# KiCad board tida_010057_imported.kicad_pcb (continued)
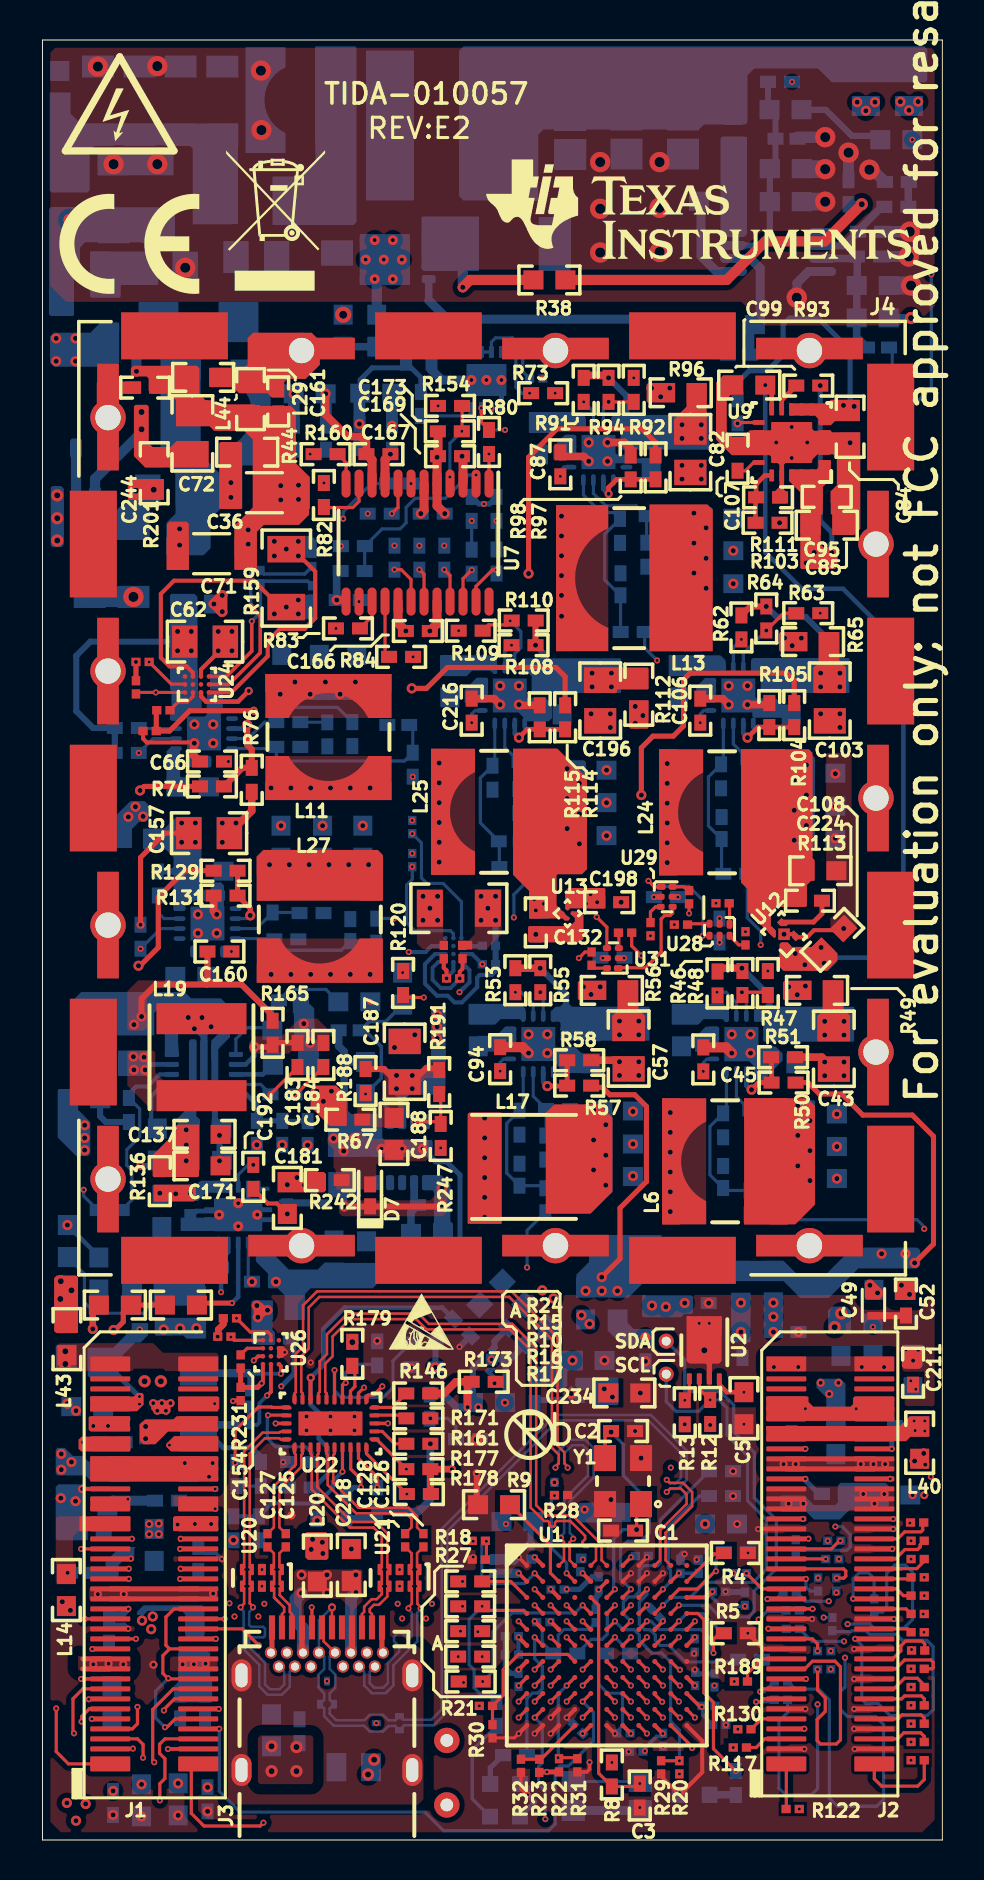
[diagram p0: board, top side]
## Copper pours and planes (outline as drawn; the poured copper is in the pictures) (continued)
1V8_VDD_RX on Bottom Layer: 42.88,17.86 44.32,17.86 44.42,17.75 44.42,16.87 44.3,16.74 42.88,16.74
1V8_VDD_RX on POWER2: 21.7,3.8 23.89,3.8 24.94,2.74 32.04,2.74 32.06,2.76 33.6,2.76 35.99,5.16 35.99,12.88 33.25,15.62 33.17,16.05 33.17,31.75 30.63,34.19 30.63,64.44 31.72,65.53 39.45,65.53 40.51,64.47 40.51,48.31 37.13,44.93 37.13,43.59 37.95,42.77 40.92,42.77 42.09,41.61 42.09,33.32 40.23,31.47 40.23,26.92 40.05,26.74 40.05,20.44 39.68,20.07 39.68,17.29 40.03,16.94 42.72,16.94 43.31,17.53 44.42,17.53 44.58,17.37 44.58,0.74 43.92,0.08 1.14,0.08 0.2,1.02 0.2,22.66 0.51,22.96 4.24,22.96 4.57,22.63 4.57,19.79 3.89,19.1 3.89,14 5.41,12.47 15.6,12.47 17.74,10.33 19.72,10.33 19.84,10.21 19.84,5.66
3.3V on Top Layer (solid shape): 36.93,44.86 37.28,44.86 37.48,44.65 38.48,44.65 38.94,45.11 38.96,45.11 39.75,44.32 39.75,43.99 39.22,43.46 37.06,43.46 36.86,43.66 36.86,44.78
3.3V on Bottom Layer (solid shape): 36.93,44.65 36.88,44.6 36.88,43.64 37.06,43.46 39.29,43.46 39.75,43.92 39.75,44.32 38.96,45.11 38.94,45.11 38.48,44.65
3.3V on POWER2: 40.56,20.68 39.68,19.8 39.68,18.18 40.49,17.37 42.44,17.37 43.13,18.06 44.32,18.06 44.6,18.34 44.6,18.39 44.61,18.4 44.61,43.53 43.08,45.06 37.59,45.06 37.34,44.81 37.34,43.61 37.69,43.26 41.15,43.26 42.62,41.78 42.62,32.94 40.56,30.89
3.3V_AVDD on Top Layer (solid shape): 36.2,20.7 42.88,20.7 43.36,21.18 44.35,21.18 44.35,20.18 43.42,20.18 43.18,19.94 36.2,19.94
AVSS on Top Layer (solid shape): 6.78,22.15 8.84,22.15 8.84,21.56 6.78,21.56
AVSS on Top Layer (solid shape): 6.58,20.19 6.2,19.81 6.2,19.66 6.43,19.43 8.79,19.43 8.79,20.19
AVSS on Top Layer (solid shape): 42.6,20.99 42.6,22.13 42.57,22.16 40.6,22.16 40.54,22.1 40.54,21.13 40.68,20.99
AVSS on Top Layer (solid shape): 4.34,20.17 4.39,20.12 4.39,19.48 4.34,19.43 1.93,19.43 1.8,19.56 1.8,20.02 1.96,20.17
AVSS on Top Layer (solid shape): 5.05,22.28 4.98,22.35 4.75,22.35 4.57,22.17 2.39,22.17 2.39,21.44 4.72,21.44 5.05,21.77
AVSS on Top Layer (solid shape): 38.3,21.9 38.54,21.67 40.41,21.67 40.79,22.05 41.91,22.05 41.99,21.97 41.99,21.13 41.81,20.96 36.22,20.96 36.2,20.98 36.2,22.12 36.25,22.17 38.28,22.17 38.3,22.15
AVSS on Bottom Layer (solid shape): 0.79,17.78 0.66,17.65 0.66,15.06 0.74,14.99 2.06,14.99 2.11,15.04 2.11,17.37 2.18,17.45 2.18,17.68 2.08,17.78
AVSS on Bottom Layer (solid shape): 2.26,24.61 3.53,24.61 4.47,25.55 4.47,25.83 5.28,25.83 5.28,25.25 4.9,24.87 4.65,24.87 3.81,24.03 3.81,23.11 2.36,23.11 2.26,23.22
AVSS on GND2: 7.95,14.33 8.62,14.99 10.09,14.99 10.76,14.33 42.72,14.33 44.6,16.21 44.6,26.77 43.66,27.71 1.42,27.71 0.36,26.64 0.36,14.81 0.84,14.33
GND_A7 on Bottom Layer (solid shape): 12.57,41.3 12.52,41.35 12.52,41.99 13.18,41.99 13.59,41.58 13.59,40.11 13.82,39.88 13.82,38.25 12.78,38.25 12.78,39.52 12.57,39.73
GND_A7 on Top Layer: 11.96,40.18 10.64,40.18 10.34,39.88 10.34,39.45 10.46,39.32 12.32,39.32 12.45,39.45 14.35,39.45 14.35,40.46 13.74,41.07 12.85,41.07
GND_A7 on GND1: 4.42,33.48 4.6,33.3 5.31,33.3 5.41,33.4 5.41,34.47 5.66,34.72 9.96,34.72 10.21,34.47 13.56,34.47 14.02,34.93 14.02,41.02 13.82,41.22 5.72,41.22 4.42,39.93
GND_SIG on Top Layer (solid shape): 43.92,24.74 43.99,24.66 43.99,23.67 43.89,23.57 43.08,23.57 42.98,23.67 42.98,24.66 43.05,24.74
GND_SIG on Top Layer (solid shape): 33.96,26.19 33.96,23.95 33.83,23.83 33.5,23.83 33.48,23.8 33.48,22.78 33.22,22.78 33.22,23.75 33.15,23.83 32.33,23.83 32.21,23.95 32.21,26.19
GND_SIG on Bottom Layer (solid shape): 44.02,24.77 44.04,24.74 44.04,23.75 44.02,23.72 43.05,23.72 42.98,23.8 42.98,24.74 43,24.77
GND_SIG on Bottom Layer (solid shape): 2.18,13.06 3.76,13.06 3.81,13.11 3.81,13.74 3.99,13.92 4.5,13.92 4.59,14.01 4.59,14.56 4.67,14.64 3.87,14.64 3.15,13.92 3.15,13.59 2.49,13.59 2.18,13.29
GND_SIG on Top Layer: 44.17,27.25 44.96,26.47 44.96,1.35 43.74,0.13 1.17,0.13 0.1,1.19 0.1,26.19 1.17,27.25
GND_SIG on Bottom Layer: 44.17,27.25 44.96,26.47 44.96,1.35 43.74,0.13 1.17,0.13 0.1,1.19 0.1,26.19 1.17,27.25
GND_SIG on Bottom Layer: 3.15,1.7 8.86,1.7 9.02,1.55 9.02,0.41 8.92,0.3 3.15,0.3 3.1,0.36 3.1,1.65
GND_SIG on Bottom Layer: 12.19,69.95 17.81,69.95 17.86,69.9 17.86,69.06 17.5,68.71 12.19,68.71 12.09,68.81 12.09,69.9
GND_SIG on Bottom Layer: 3.76,13.06 3.81,13.11 3.81,13.74 3.99,13.92 4.5,13.92 4.59,14.01 4.59,14.56 4.67,14.64 4.67,17.07 4.47,17.27 2.72,17.27 2.62,17.17 2.62,13.98 2.3,13.67 2.18,13.67 2.18,13.06
GND_SIG on GND1: 43.59,89.99 44.98,88.6 44.98,1.52 43.46,0 1.93,0 0,1.93 0,88.62 1.37,89.99
GND_SIG on Signal Layer 1: 43.59,89.99 44.98,88.6 44.98,1.52 43.46,0 1.93,0 0,1.93 0,88.62 1.37,89.99
GND_SIG on Signal Layer 2: 43.59,89.99 44.98,88.6 44.98,1.52 43.46,0 1.93,0 0,1.93 0,88.62 1.37,89.99
GND_SIG on GND7: 0,89.05 0.91,89.97 43.99,89.97 45.01,88.95 44.98,74.65 44.98,1.52 43.46,0 1.93,0 0,1.93
PGND on Top Layer (solid shape): 4.93,72.92 3.94,72.92 3.81,73.05 2.9,73.05 2.72,72.87 2.72,70.76 2.74,70.79 3.73,70.79 3.81,70.87 3.81,72.09 4.04,72.31 4.93,72.31
PGND on Top Layer (solid shape): 26.47,46.43 26.44,46.41 26.44,46.28 26.62,46.1 26.62,45.92 26.39,45.69 24.33,45.69 24.28,45.64 24.28,44.93 24.33,44.88 26.87,44.88 27.05,45.06 27.05,46.3 26.92,46.43
PGND on Top Layer (solid shape): 8.41,73.61 10.11,73.61 10.26,73.76 10.26,75.09 10.54,75.36 13.46,75.36 13.87,74.96 13.87,73.76 13.16,73.05 12.24,73.05 12.04,72.85 12.04,72.14 11.46,72.14 11.25,72.34 9.83,72.34 9.53,72.64 8.41,72.64
PGND on Top Layer (solid shape): 34.49,70.15 34.21,70.43 34.21,72.06 34.44,72.29 35.03,72.29 35.03,73.2 35.05,73.23 34.04,73.23 33.68,72.87 33.68,70.03 34.47,69.24 36.37,69.24 36.86,68.76 36.86,67.67 36.63,67.44 36.5,67.44 36.5,66.83 37.21,66.83 37.24,66.85 37.24,67.36 37.08,67.51 37.08,68.78 37.16,68.86 38.33,68.86 38.76,69.29 39.52,69.29 39.73,69.09 39.73,67.74 39.42,67.44 39.42,66.32 39.5,66.24 39.5,65.28 39.52,65.25 40.59,65.25 40.89,65.56 40.89,70.38 39.5,70.38 39.42,70.46 38.58,70.46 38.4,70.64 36.63,70.64 36.47,70.48 35.38,70.48 35.05,70.15
PGND on Bottom Layer (solid shape): 6.91,30.45 8.89,30.45 8.89,30.63 8.41,31.12 6.91,31.12
PGND on Bottom Layer (solid shape): 25.17,57.1 25.48,56.79 25.48,56.09 25.32,55.93 24.25,55.93 23.8,56.38 23.8,57.1
PGND on Bottom Layer (solid shape): 26.64,39.65 27.05,39.24 27.05,38.35 26.11,38.35 25.49,38.97 25.49,39.67 25.53,39.7 25.63,39.7 25.68,39.65
PGND on Bottom Layer (solid shape): 36.68,57.07 37.01,56.74 37.01,56.13 36.98,56.11 35.59,56.11 35.5,56.2 35.5,57.14 35.57,57.21 35.71,57.07
PGND on Bottom Layer (solid shape): 8.47,47.89 8.41,47.83 8.41,46.75 8.3,46.64 8.3,46.04 8.36,45.99 9,45.99 9.07,46.05 9.07,47.74 8.92,47.89
PGND on Bottom Layer (solid shape): 29.44,69.24 29.59,69.09 30.06,69.09 30.06,68.88 30.01,68.83 28.36,68.83 28.26,68.94 28.26,69.29 28.49,69.52 28.77,69.24
PGND on Bottom Layer (solid shape): 8.23,57.33 8.23,56.29 8.1,56.16 8.1,55.55 8.15,55.5 8.81,55.5 8.92,55.6 8.92,56.29 9.02,56.39 9.02,57.35 8.97,57.4 8.31,57.4
PGND on Bottom Layer (solid shape): 36.67,39.67 37.01,39.33 37.01,38.97 36.04,37.99 35.72,37.99 35.58,38.13 35.58,38.69 35.33,38.94 34.11,38.94 34.11,40.64 35.79,40.64 35.79,39.73 35.84,39.67
PGND on Bottom Layer (solid shape): 19.94,33.25 20.4,32.79 20.4,30.94 20.52,30.81 20.52,29.84 19.53,29.84 19.53,30.84 19.58,30.89 19.58,32.39 19.49,32.49 19.05,32.49 19,32.54 19,33.2 19.05,33.25
PGND on Bottom Layer (solid shape): 8.92,42.09 7.42,42.09 7.11,42.39 1.93,42.39 1.52,41.99 1.52,40.28 1.57,40.23 5.59,40.23 5.59,41.35 5.89,41.66 8.51,41.66 8.89,41.28 8.89,40.41 8.46,39.98 8.46,39.01 8.76,39.01 8.76,39.52 9.37,40.13 9.37,41.63
PGND on Top Layer: 14.99,31.19 14.83,31.34 14.83,31.9 14.91,31.98 19.38,31.98 19.66,32.26 19.66,32.66 19.86,32.87 20.12,32.87 20.24,32.74 20.24,31.42 20.02,31.19
PGND on Top Layer: 40.36,54.36 40.46,54.25 40.46,51.56 40.72,51.31 40.72,45.57 40.03,44.88 39.4,45.52 39.4,46.08 39.75,46.43 39.75,47.85 39.62,47.98 39.19,47.98 39.19,54.28 39.27,54.36
PGND on Top Layer: 6.6,42.72 6.48,42.6 5.72,42.6 5.23,42.11 5.23,40.61 5.08,40.46 4.29,40.46 4.24,40.51 4.24,42.44 4.78,42.98 6.5,42.98 6.6,42.88
PGND on Top Layer: 13.44,5.23 13.54,5.13 13.54,2.87 13.46,2.79 10.87,2.79 10.77,2.9 10.77,5.11 10.9,5.23
PGND on Bottom Layer: 31.55,60.25 30.84,60.96 29.69,60.96 29.59,61.06 29.59,62.76 29.46,62.89 28.7,62.89 28.5,63.09 28.5,65.25 28.55,65.3 29.18,65.3 29.29,65.2 29.29,64.34 29.54,64.08 32,64.08 32.08,64.01 32.08,62 32.26,61.82 33.77,61.82 34.03,62.09 34.02,62.1 34.02,66.79 33.63,67.18 29.17,67.18 28.64,67.72 28.51,67.72 28.44,67.79 28.44,68.35 28.18,68.61 27.11,68.61 27.06,68.66 27.09,70.18 28.49,70.18 28.56,70.1 28.56,69.52 28.82,69.27 29.4,69.27 29.58,69.09 30.91,69.09 30.99,69.01 33.2,69.01 33.23,68.98 34.85,68.98 35.06,68.76 35.06,60.8 34.52,60.25
PGND on Bottom Layer: 40.54,31.37 40.64,31.47 40.64,38.96 40.41,39.18 38.76,39.18 38.61,39.33 37.01,39.33 36.71,39.64 35.97,39.64 35.84,39.77 35.84,40.6 35.82,40.63 34.09,40.63 34.09,40.6 34.04,40.55 34.04,39 34.09,38.95 35.31,38.95 35.58,38.69 35.58,38.13 36.15,37.56 38.79,37.56 39.14,37.2 39.14,32.44 38.84,32.13 37.46,32.13 37.19,32.41 37.19,34.29 37.02,34.46 34.8,34.46 34.42,34.84 34.42,35.41 34.39,35.43 34.38,35.44 34.22,35.6 33.75,35.6 33.68,35.53 33.68,33.4 33.83,33.25 35.79,33.25 35.91,33.13 35.91,31.5 36.04,31.37
PGND on Bottom Layer: 28.7,31.78 27.33,31.78 26.77,32.33 26.77,34.42 24.49,34.42 24.16,34.75 24.16,35.66 23.55,35.66 23.55,33.45 23.62,33.38 25.65,33.38 25.73,33.3 25.73,31.14 26.09,30.78 29.82,30.78 30.15,31.12 30.15,39.19 28.5,39.19 28.35,39.34 26.95,39.34 26.64,39.65 25.7,39.65 25.63,39.73 25.63,40.59 25.58,40.64 23.95,40.64 23.95,39.17 24.08,39.04 25.32,39.04 25.45,38.91 25.45,38.23 26.21,37.47 28.65,37.47 29.03,37.08 29.03,32.11
PGND on Bottom Layer: 9.7,55.96 9.96,56.21 9.96,56.87 10.11,57.02 10.72,57.02 10.87,57.18 10.87,58.46 11.15,58.74 15.89,58.74 16.21,58.42 16.21,55.37 15.91,55.08 13.94,55.08 13.84,54.98 12.52,54.98 12.42,54.88 12.42,54.41 12.55,54.28 17.53,54.28 17.64,54.39 17.64,59.54 17.2,59.98 10.57,59.98 9.82,60.76 8.53,60.76 8.51,60.73 8.51,59.13 8.38,59 8.38,57.48 8.2,57.3 8.2,56.29 8.08,56.16 7.37,56.16 7.26,56.06 7.26,54.48 8.92,54.74 8.92,55.83 9.04,55.96
PGND on Bottom Layer: 13.6,45.74 13.32,45.47 12.45,45.47 12.37,45.39 12.37,44.7 14.66,44.7 14.84,44.89 14.84,45.59 14.9,45.64 15.7,45.64 15.7,46.33 16.1,46.74 17.7,46.74 17.81,46.84 17.81,50.91 17.34,51.36 8.94,51.36 8.71,51.13 8.71,49.53 8.53,49.35 8.53,47.96 8.38,47.8 8.38,46.74 8.28,46.63 8.1,46.63 7.95,46.48 7.52,46.48 7.52,45.06 7.49,45.03 8.97,45.03 9.07,45.14 9.07,46.05 9.47,46.46 9.96,46.46 10.52,47.02 10.52,49.4 10.95,49.83 16.76,49.83 17.04,49.56 17.04,47.96 16.76,47.68 13.64,47.68 13.59,47.62 13.6,46.78
PGND on Bottom Layer: 4.88,26.9 5.05,27.08 5.05,29.69 5.51,30.15 6.86,30.15 7.39,30.68 9.35,30.68 9.6,30.43 10.98,30.43 11.41,30.86 14,30.86 14.12,30.73 14.12,29.49 14.17,29.44 16.69,29.44 16.69,30.45 15.9,31.24 15.9,33.4 15.88,33.38 14.27,33.38 14.27,32.21 14.1,32.03 11.86,32.03 11.38,31.55 7.21,31.55 6.81,31.14 4.83,31.14 4.04,30.35 4.04,28.22 3.86,28.04 2.31,28.04 2.31,26.9
PGND on Bottom Layer: 13.44,5.18 14.19,4.43 15.19,4.43 15.21,4.4 15.21,2.94 15.04,2.77 13.46,2.79 10.87,2.79 10.77,2.9 10.77,5.11 10.85,5.18
PGND on Bottom Layer: 27.36,48.92 25.81,48.92 25.5,49.23 25.5,51.77 23.28,51.77 23.05,51.99 23.05,52.84 22.99,52.91 22.2,52.91 22.2,50.98 22.61,50.57 23.43,50.57 23.52,50.48 23.52,49.38 23.62,49.28 24.64,49.28 24.71,49.2 24.71,48.26 24.87,48.11 28.01,48.11 28.68,47.44 28.68,46.02 28.18,45.53 24.45,45.53 24.33,45.42 24.33,44.83 24.49,44.68 29.62,44.68 29.72,44.78 29.72,51.06 28.96,51.82 28.96,56.49 28.85,56.59 27.08,56.59 26.9,56.77 25.5,56.77 25.17,57.1 24.23,57.1 24.16,57.18 24.16,57.89 24.03,58.01 22.61,58.01 22.61,56.77 22.86,56.52 23.75,56.52 24.03,56.24 24.03,55.65 24.97,54.71 27.15,54.71 27.74,54.13 27.74,49.3
PGND on Bottom Layer: 35.92,46.28 36.2,46 38.94,46 40.06,44.88 40.74,45.57 40.74,51.03 40.46,51.31 40.46,56.49 40.36,56.59 38.56,56.59 38.38,56.77 36.96,56.77 36.63,57.1 35.69,57.1 35.53,57.25 35.53,57.96 35.46,58.04 34.11,58.04 33.99,57.91 33.99,56.52 34.11,56.39 35.38,56.39 35.48,56.29 35.48,55.63 35.79,55.32 35.79,54.97 35.99,54.76 38.74,54.76 39.14,54.36 39.14,49.48 38.81,49.15 37.03,49.15 36.88,49.3 36.88,51.92 34.51,51.92 34.46,51.97 34.46,52.9 34.37,52.98 33.63,52.98 33.6,52.96 33.6,50.8 33.66,50.75 34.47,50.75 34.59,50.62 34.59,49.05 34.68,48.97 35.81,48.97 35.92,48.87
PGND on Bottom Layer: 8.48,36.98 8.76,36.98 8.76,36.17 8.84,36.09 9.45,36.09 9.47,36.07 9.47,33.5 8.48,33.5
PGND on Bottom Layer: 3.73,3.3 8.28,3.3 8.59,3 8.59,2.24 4.06,2.24 3.86,2.03 3.2,2.03 3.17,2.01 3.17,2.74
PGND on GND2: 43.59,89.99 44.98,88.6 44.98,1.52 43.46,0 1.93,0 0,1.93 0,88.62 1.37,89.99
PGND on POWER2: 43.59,89.99 44.98,88.6 44.98,1.52 43.46,0 1.93,0 0,1.93 0,88.62 1.37,89.99
PGND on GND4: 16.41,73.56 14.91,72.06 14.91,6.81 15.57,6.15 17.93,6.15 18.44,5.64 18.44,0.84 19.28,0 43.46,0 44.98,1.52 44.98,73.56
PGND on POWER3: 43.59,89.99 44.98,88.6 44.98,1.52 43.46,0 1.93,0 0,1.93 0,88.62 1.37,89.99
PGND on GND6: 43.59,89.99 44.98,88.6 44.98,1.52 43.46,0 1.93,0 0,1.93 0,88.62 1.37,89.99
VBUS on Top Layer (solid shape): 11.25,60.99 13.13,60.99 13.13,62.31 11.25,62.31
VBUS on Top Layer (solid shape): 29.34,56.98 29.34,55.64 29.41,55.56 30.25,55.56 30.3,55.61 30.3,56.98
VBUS on Top Layer (solid shape): 31.64,72.85 30.29,72.85 30.21,72.77 30.21,71.93 30.26,71.88 31.64,71.88
VBUS on Top Layer (solid shape): 38.25,60.4 36.91,60.4 36.83,60.33 36.83,59.49 36.88,59.44 38.25,59.44
VBUS on Top Layer (solid shape): 38.46,42.96 37.11,42.96 37.03,42.89 37.03,42.05 37.08,42 38.46,42
VBUS on Bottom Layer (solid shape): 31.5,72.82 31.6,72.72 31.6,72.44 31.06,71.91 30.73,71.91 30.23,72.42 30.23,72.67 30.38,72.82
VBUS on Bottom Layer (solid shape): 36.99,60.35 38.06,60.36 38.21,60.21 38.21,59.96 37.7,59.46 37.36,59.46 36.84,59.97 36.84,60.2
VBUS on Bottom Layer (solid shape): 38.25,42.93 38.4,42.77 38.4,42.55 37.87,42.01 37.57,42.01 37.06,42.52 37.06,42.77 37.21,42.93
VBUS on Bottom Layer (solid shape): 13,62.31 13.06,62.26 13.67,62.26 13.72,62.2 13.72,61.14 13.61,61.04 11.48,61.04 11.33,61.19 11.33,62.13 11.51,62.31
VBUS on Top Layer: 21.29,44.96 21.62,45.29 21.62,47.52 21.64,47.55 22.94,47.55 22.96,47.52 22.96,45.29 22.2,44.53 20.78,44.53 20.78,44.96
VBUS on Bottom Layer: 21.01,22.76 21.39,23.14 21.67,23.14 22.07,22.73 22.07,21.36 22.02,21.31 21.06,21.31 21.01,21.36
VBUS on Bottom Layer: 9.57,21.54 8.92,21.54 8.82,21.62 8.82,21.98 8.73,22.07 5.38,22.07 5.31,22 5.31,21.62 5.98,20.94 5.98,19.64 6.14,19.48 9.83,19.48 9.83,21.29
VBUS on POWER1: 14.33,83.39 15.72,84.79 43.74,84.79 44.93,83.59 44.93,73.2 44.97,73.18 44.9,38.52 44.09,37.72 37.03,37.72 36.58,37.26 36.58,22.55 35.28,21.25 35.28,11.09 34.76,10.57 32.49,10.57 32.18,10.87 32.18,14.91 31.6,15.49 30.25,15.49 28.24,17.5 26.09,17.5 25.62,17.04 25.62,15.01 25.11,14.5 17.29,14.5 15.53,16.31 12.78,16.31 11.18,14.71 6.14,14.71 5.3,15.54 5.3,21.97 5.45,22.12 12.04,22.12 12.57,22.65 12.56,28.85 12.57,30.61 20.92,38.96 20.92,53.64 20.15,54.42 10.84,54.42 10.29,54.97 10.29,56.79 11.18,57.69 11.18,62.59 11.75,63.16 13.69,63.16 14.33,63.78
VBUS_USB on Top Layer (solid shape): 13.21,15.39 14.18,15.39 14.3,15.27 14.3,14.1 14.22,14.02 13.26,14.02 13.14,14.14 13.14,15.33
VBUS_USB on Bottom Layer: 9.7,23.55 8.86,23.55 8.81,23.6 8.81,24.13 8.76,24.18 4.75,24.18 4.7,24.13 4.7,22.73 4.83,22.61 6.77,22.61 7.05,22.89 8.76,22.89 8.81,22.94 8.81,23.09 8.86,23.14 9.7,23.14
VBUS_USB on Bottom Layer: 14.66,15.15 14.72,15.09 14.72,14.17 14.55,14.02 13.13,14.02 12.9,14.25 12.9,15.04 13.02,15.15
VBUS_USB on POWER1: 11.62,22.82 11.76,22.97 11.76,31.24 11.1,31.9 1.22,31.9 0.25,30.94 0.25,1.09 1.22,0.13 23.9,0.13 24.92,1.14 24.92,12.73 24.08,13.56 17.42,13.56 15.47,15.52 12.78,15.52 11.13,13.87 6.58,13.87 4.8,15.65 4.8,21.79 5.49,22.48 11.28,22.48
VCC_3.3V on Bottom Layer: 21.64,27.69 20.08,26.12 20.6,25.6 20.68,25.6 21.46,26.39 21.54,26.39 21.84,26.09 22.54,26.78
VCC_3.3V_CDCE on Bottom Layer (solid shape): 25.86,24.46 25.07,23.67 24.43,23.67 24.31,23.55 24.31,22.66 25.62,22.66 25.77,22.5 26.01,22.5 26.24,22.74 26.24,23.42 26.29,23.47 27.03,23.47 27.03,24.46
VCC_3.3V_CDCE on Signal Layer 2 (solid shape): 25.88,27.66 25.32,27.66 25.15,27.84 24.87,27.84 24.66,27.64 24.66,27.31 25.37,26.59 25.68,26.59 26.14,27.05 26.14,27.41
VCC_3.3V_CDCE on Bottom Layer: 25.76,27.79 25.83,27.71 25.83,26.82 25.78,26.77 24.84,26.77 23.77,25.7 23.77,25.53 23.14,24.89 22.65,24.89 22.5,25.04 22.5,25.86 23.15,26.5 23.15,26.95 22.28,27.82 22.28,27.89 22.3,27.89 22.99,28.58 23.11,28.58 23.9,27.79
VCC_AUX_1V8 on Bottom Layer (solid shape): 6.78,9.37 6.78,7.9 6.58,7.7 6.58,6.88 8.46,6.88 8.48,6.91 8.48,8.03 8.38,8.13 8.38,9.35 8.26,9.47 6.88,9.47
VCC_AUX_1V8 on Top Layer: 6.38,9.17 6.38,8.43 8.79,8.43 8.79,9.17
VCC_FX3_AVDD on POWER1: 35.79,17.15 35.79,10.77 35.08,10.06 31.9,10.06 31.67,10.29 31.67,14.55 31.34,14.88 28.73,14.88 28.6,14.76 28.6,4.44 29.31,3.73 39.95,3.73 41.19,4.97 41.19,14.13 39.6,15.72 39.6,20.24 39.8,20.45 41.19,20.45 41.7,20.96 41.7,25.45 42.09,25.84 42.09,27.86 41.94,28.02 37.41,28.02 36.91,27.51 36.91,22.15 35.79,21.03
VCC_FX3_CVDDQ on POWER3: 21.06,16.05 20.29,15.29 20.29,0.84 21.13,0 32.41,0 32.99,0.58 32.99,3.91 32.72,4.19 24.94,4.19 23.08,6.05 23.08,8.3 24.18,9.4 27.94,9.4 28.45,9.91 28.45,12.78 28.35,12.88 27.38,12.88 27.25,12.75 27.25,12.55 26.44,11.74 24.03,11.74 22.38,13.39 22.38,16.13 23.09,16.84 24.97,16.84 26.21,18.08 26.21,24.03 27.84,25.65 27.84,26.49 27.74,26.59 21.92,26.59 21.06,25.73
VCC_FX3_DVDD on Bottom Layer (solid shape): 36.07,27.38 37.03,27.38 37.03,25.15 36.98,25.1 36.14,25.1 36.07,25.17
VCC_FX3_DVDD on POWER3: 44.48,0.86 43.94,0.33 33.48,0.33 33.17,0.64 33.17,4.04 32.89,4.32 25.22,4.32 23.5,6.05 23.5,8.51 24.1,9.12 28.02,9.12 28.73,9.83 28.73,12.67 28.47,12.93 27.15,12.93 26.21,11.99 25.3,11.99 25.07,12.22 25.07,13.16 30.02,18.11 30.02,21.84 32.54,24.36 35.45,24.36 35.99,24.9 35.99,27.81 36.12,27.94 38.18,27.94 38.25,27.86 38.25,23.11 38.89,22.48 44.02,22.48 44.48,22.02
VCC_FX3_RXVDDQ on Bottom Layer (solid shape): 34.44,27.36 35.41,27.36 35.41,24.89 34.44,24.89
VCC_FX3_RXVDDQ on POWER3: 24.87,13.89 24.87,12.45 24.66,12.24 23.7,12.24 22.91,13.03 22.91,15.9 23.52,16.51 25.37,16.51 26.49,17.63 26.49,23.57 28.35,25.43 28.35,27.56 28.78,27.99 35.2,27.99 35.46,27.74 35.46,25.1 35.28,24.92 32.28,24.92 29.45,22.08 29.45,18.48
VCC_FX3_TXVDDQ on Top Layer (solid shape): 42.65,28.02 43.61,28.02 43.66,27.97 43.66,27.03 43.64,27 42.65,27 42.62,27.03 42.62,27.99
VCC_FX3_TXVDDQ on Bottom Layer (solid shape): 27.25,16.87 27.81,16.87 27.81,15.88 26.8,15.88 26.75,15.93 26.75,16.36
VCC_FX3_TXVDDQ on POWER1: 42.21,20.65 41.5,19.94 40.34,19.94 40.13,19.74 40.13,15.93 41.73,14.33 41.73,5.26 39.8,3.33 29.11,3.33 28.07,4.37 28.07,16.74 28.02,16.79 26.29,16.79 26.11,16.61 26.11,14.78 25.27,13.94 25.27,4.01 25.25,0.99 25.96,0.28 43.82,0.28 44.6,1.07 44.6,27.76 44.32,28.04 42.67,28.04 42.57,27.94 42.57,25.8 42.21,25.44
VCC_FX3_VIO on Bottom Layer (solid shape): 31.93,26.14 32.09,26.3 32.44,26.3 32.54,26.39 32.54,27.15 32.46,27.23 30,27.23 30,26.19 30.05,26.14
VCC_FX3_VIO on POWER2: 25.1,3.1 24.08,4.11 21.39,4.11 20.6,4.9 20.6,26.42 20.62,26.44 20.62,30.73 21.51,31.62 32.36,31.62 32.66,31.32 32.66,15.44 35.41,12.7 35.41,5.26 33.25,3.1
VCC_INT_1V on Top Layer: 8.79,12.67 8.79,11.96 6.81,11.96 6.78,11.94 4.42,11.94 4.39,11.96 2.41,11.96 2.38,11.94 2.34,11.94 2.34,12.67
VCC_INT_1V on Bottom Layer: 6.45,14.1 6.45,12.9 6.73,12.62 7.09,12.62 7.34,12.88 7.34,13.79 7.42,13.87 8.56,13.87 8.81,13.61 8.81,12.17 8.71,12.06 4.94,12.06 4.84,11.96 2.64,11.96 2.54,12.06 2.54,12.57 2.62,12.65 4.75,12.65 5.11,13 5.11,14.38 5.21,14.48 6.07,14.48
VCCO_2V5 on Top Layer (solid shape): 8.76,16.19 8.79,16.16 8.79,15.47 8.76,15.44 6.58,15.44 6.53,15.49 6.53,16.11 6.6,16.19
VCCO_2V5 on Bottom Layer: 4.94,17.87 5.97,17.87 6.4,17.44 6.4,15.62 6.5,15.52 8.61,15.52 8.69,15.6 8.69,16.1 8.61,16.18 7.54,16.18 7.39,16.33 7.39,17.91 6.38,18.92 4.85,18.92 4.85,17.96
VDD on Signal Layer 2 (solid shape): 18.39,74.27 18.39,74.12 18.97,73.53 19.15,73.53 19.76,74.14 19.71,74.19 19.71,74.27
VDD_FPGA on Top Layer (solid shape): 28.19,42.96 26.85,42.96 26.77,42.89 26.77,42.05 26.82,42 28.19,42
VDD_FPGA on Top Layer (solid shape): 8.89,62.48 8.31,61.9 8.31,61.72 8.86,61.16 9.09,61.16 9.25,61.32 9.25,62.33 9.09,62.48
VDD_FPGA on Bottom Layer (solid shape): 4.47,50.55 4.83,50.9 5.16,50.9 5.36,51.1 5.36,51.69 5.11,51.94 4.39,51.94 3.33,50.88 3.33,49.66 3.38,49.61 4.47,49.61
VDD_FPGA on Top Layer: 18.72,47.52 20.02,47.52 20.04,47.5 20.04,45.16 20.27,44.93 20.27,44.55 19,44.55 18.72,44.83
VDD_FPGA on POWER2: 18.21,42.9 18.21,33.83 19.74,32.31 29.29,32.31 30.07,33.1 30.07,66.93 29.34,67.67 3.99,67.67 3.34,67.02 3.34,63.36 3.3,63.32 3.3,50.25 3.54,50.01 6.58,50.01 7.75,51.18 16.89,51.18 18.26,49.81 18.26,46.15
ALTERNATE HV INPUT on Top Layer (solid shape): 5.56,32.77 7.59,32.77 7.67,32.69 7.67,32.03 7.57,31.93 5.56,31.93
ALTERNATE HV INPUT on Top Layer (solid shape): 15.21,35.71 15.21,37.19 14.68,37.72 13.61,37.72 13.41,37.52 13.41,36.65 14.35,35.71
ALTERNATE HV INPUT on Bottom Layer (solid shape): 9.4,32.36 8.17,32.36 7.76,31.95 7.26,31.95 7.26,32.77 7.7,32.77 7.89,32.96 9.4,32.96
ALTERNATE HV INPUT on Bottom Layer: 9.4,32.97 7.9,32.97 7.7,32.77 5.49,32.77 5.44,32.72 5.44,31.78 5.49,31.72 6.58,31.72 6.81,31.95 7.75,31.95 8.15,32.36 9.4,32.36
ALTERNATE HV INPUT on GND2: 6.22,38.38 15.88,38.38 18.21,40.72 18.21,85.83 21.89,89.51 43.81,89.51 44.22,89.1 44.22,82.5 43.84,82.12 26.37,82.12 26.11,81.86 26.11,32.84 23.14,29.87 5.38,29.87 4.93,30.33 4.93,37.08
HV FB on Bottom Layer (solid shape): 0.33,76.28 0.41,76.2 1.52,76.2 1.57,76.25 1.57,78.03 1.88,78.33 1.88,79.63 2.13,79.88 6.63,79.88 6.63,81.53 6.53,81.64 0.41,81.64 0.33,81.56
HVGND on Top Layer (solid shape): 7.72,73.71 4.55,73.71 4.42,73.58 4.42,73.28 4.52,73.18 5.21,73.18 5.31,73.08 5.31,72.47 5.46,72.31 6.35,72.31 6.68,71.98 6.68,70.69 8.36,70.69 8.59,70.46 10.08,70.46 10.52,70.03 10.52,66.62 9.6,65.71 9.6,63.53 10.72,63.53 10.72,65.41 11.07,65.76 12.83,65.76 13.33,66.27 13.33,68.17 12.67,68.83 12.67,71.44 12.41,71.7 10.67,71.7 10.59,71.78 8.71,71.78 8.51,71.98 8.15,71.98 7.85,72.29 7.85,73.58
HVGND on Bottom Layer (solid shape): 2.77,84.35 6.55,84.35 6.55,83.24 2.77,83.24
HVGND on Bottom Layer (solid shape): 13.36,68.17 11.68,68.17 11.61,68.1 11.61,66.7 11.76,66.55 13.36,66.55
HVGND on Top Layer: 45,77.08 43.64,75.72 36.14,75.72 34.95,76.91 1.17,76.91 0,78.08 0,88.98 1.02,90 44.06,90 45,89.06
HVGND on Bottom Layer: 33.16,84.99 33.38,84.77 33.38,79.07 33.79,78.65 35.11,78.65 35.23,78.52 35.23,76.68 35.13,76.58 23.49,76.58 23.28,76.79 23.28,81.11 23.45,81.29 24.95,81.29 25.31,81.65 25.31,84.77 25.53,84.99
HVGND on Bottom Layer: 12.17,84.35 12.17,89.61 0.46,89.61 0.38,89.53 0.38,87.99 9.88,87.99 10.21,87.66 10.21,84.35
HVGND on GND4: 13.92,62.99 13.92,6.6 15.11,5.41 17.45,5.41 17.7,5.16 17.7,0.66 17.45,0.41 0.86,0.41 0.03,1.24 0.03,60.96 0,60.99 0,88.62 1.04,89.66 44.15,89.66 44.93,88.87 44.93,74.73 44.17,73.96 14.66,73.96 13.94,73.25 13.94,63.02
HVM on Bottom Layer (solid shape): 1.68,24.77 0.74,24.77 0.66,24.69 0.66,23.6 0.76,23.5 1.68,23.5 1.7,23.52 1.7,24.74
HVM on Top Layer: 0.86,24.84 0.69,24.66 0.69,23.65 0.89,23.44 4.47,23.44 4.6,23.57 6.04,23.57 6.16,23.44 8.79,23.44 8.81,23.47 8.81,24.31 8.76,24.36 6.02,24.36 5.54,24.84
HVP on Top Layer: 36.2,24.18 36.2,23.42 42.6,23.42 42.6,24.18